# Allegro board C000PD020-3399PRO-DMEB-A-A01.brd (continued)
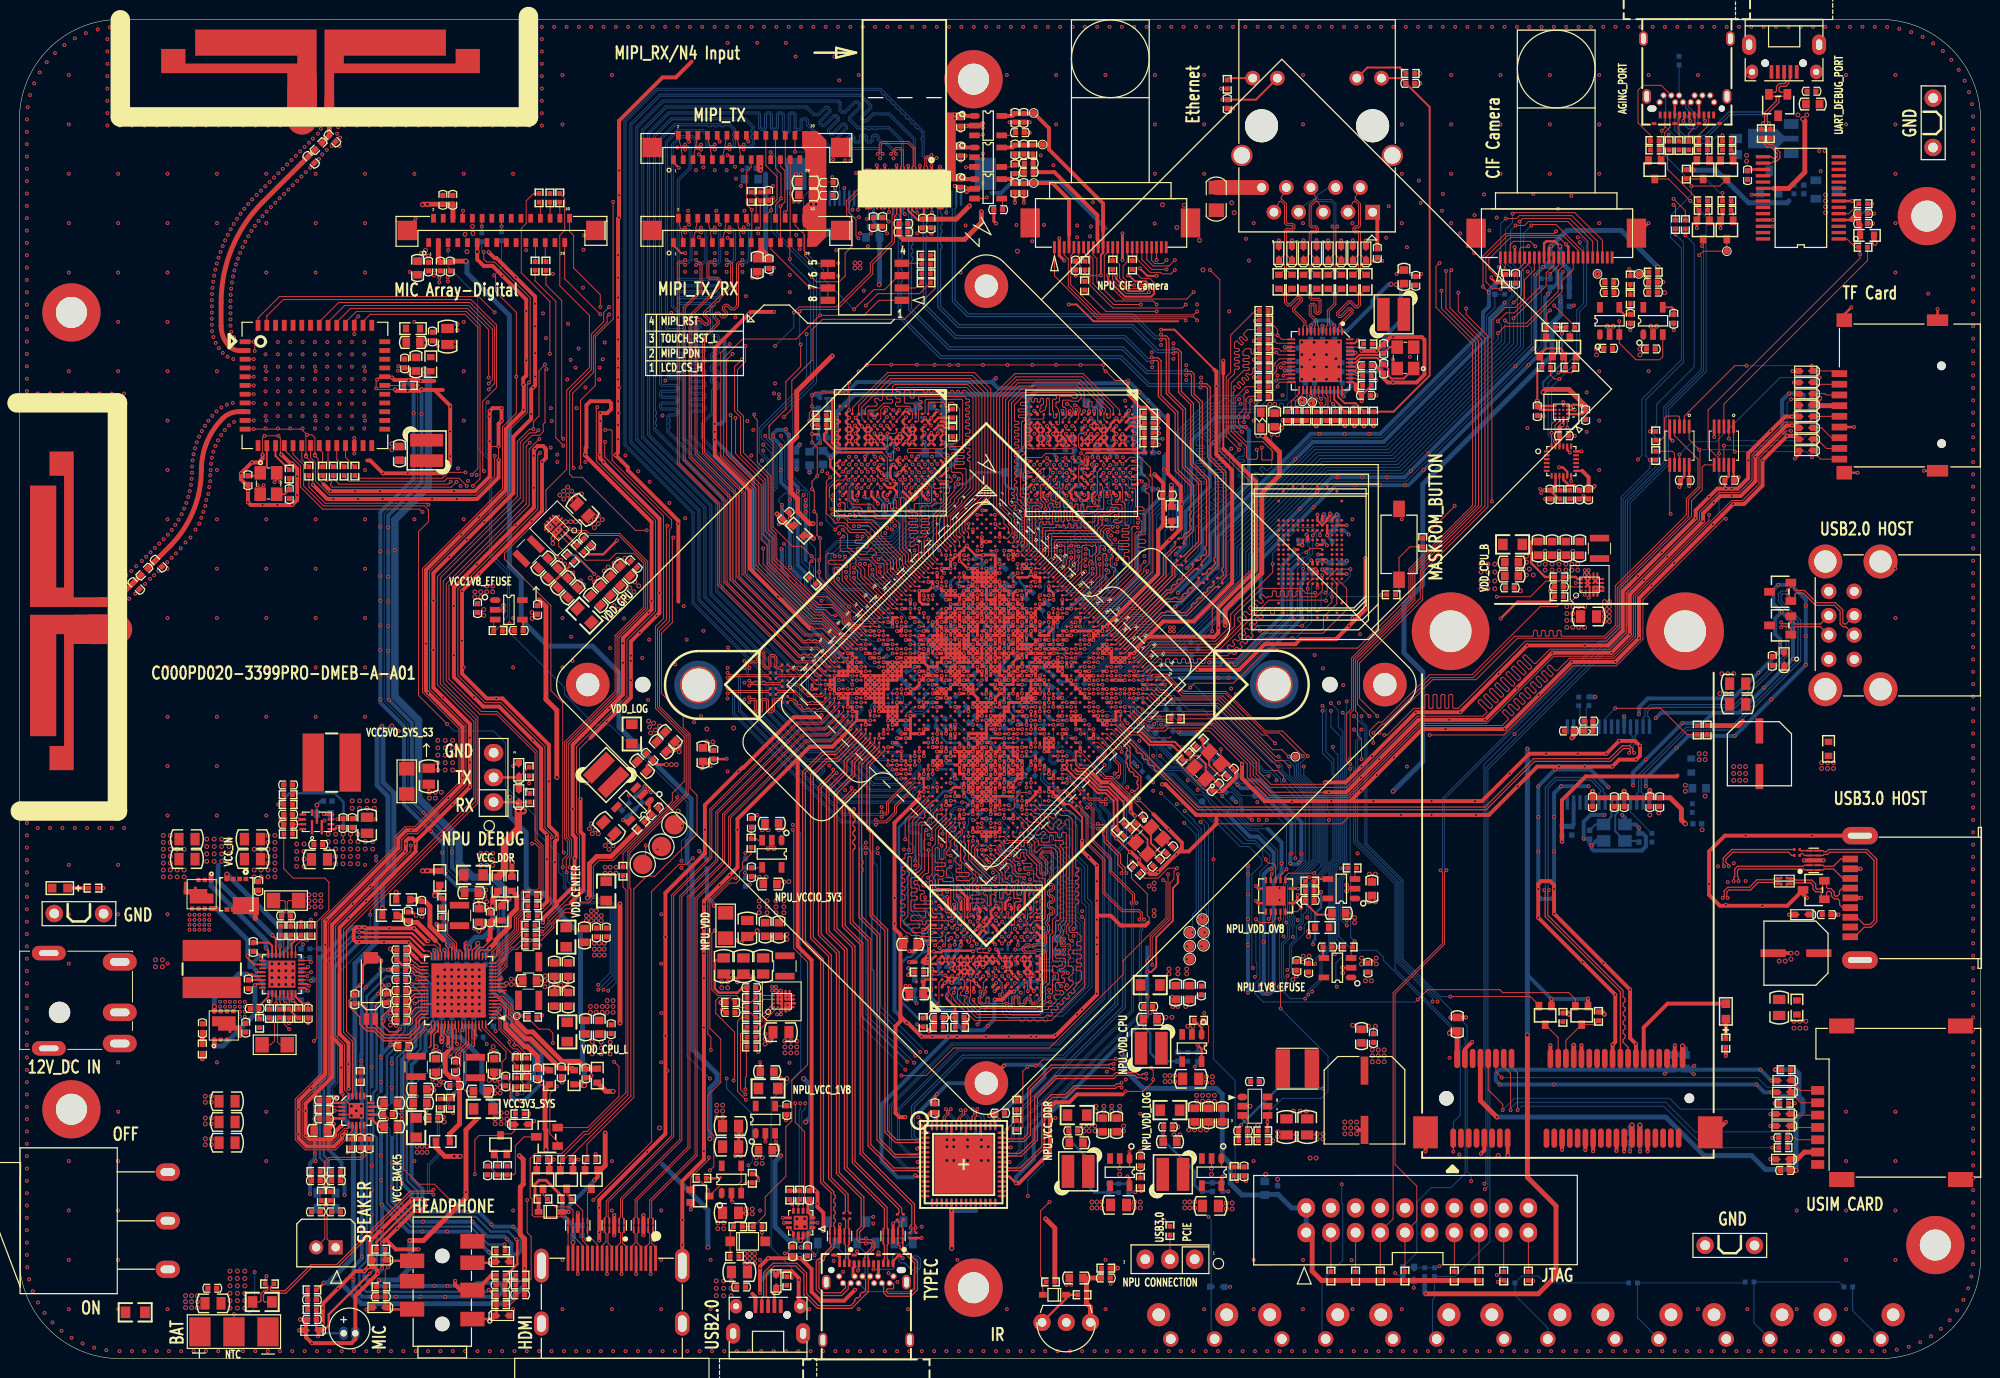
[diagram p0: board, top side]
## Routing (per net, layer and track width the routed paths; a pad name or vN(x,y) marks a point on that pad's centre or on a via; arc(x,y) is an arc through that point) (continued)
VBUS_ON: length 2.1
  TOP w0.102: R9724.2 R9716.1 173.7,123.48 Q9702.1
VBUS_TYPEC0: length 4.7
  TOP w0.102: U2600.2 v1(82.12,13.98)
  TOP w0.305: J2600.B9 85.77,8.63 85.77,9.31 85.89,9.43 J2600.A4 ; J2600.A9 88.39,8.51 J2600.B4
  TOP w0.406: 75.41,6.67 75.74,6.34 J2601.1
  vias: v2(71.86,13.98) v2(71.86,13.37) v2(72.47,13.98) v2(72.47,13.37) v2(74.63,10.81) v2(74.63,10.3) v2(74.63,9.79) v2(75.14,10.81) v2(75.14,10.3) v2(75.14,9.79) v2(75.65,10.81) v2(75.65,10.3) v2(75.65,9.79)
VBUS_TYPEC_TEST: length 2.7
  TOP w0.254: J9702.A9 170.33,129.23 J9702.B4 ; J9702.B9 172.83,129.23 J9702.A4
  vias: v2(177.72,123.81) v2(177.72,123.2)
VCC1V5_DVP_S0: length 222.3
  TOP w0.203: C4602.1 90.66,116.95 J4600.22
  TOP w0.508: v1(98.98,118.02) 98.98,116.9 97.26,115.17 90.96,115.17 90.51,115.62 C4601.1 C4602.1 ; R2106.2 v2(38.77,47.98)
  S1 w0.508: 122.78,46.42 131.12,46.42 131.7,47 133.93,47 136.47,49.54 137.59,49.54 141.35,53.3 v2(141.35,58.38) ; v1(98.98,118.02) 99.24,118.27 115.49,118.27 116.97,119.75 119.71,119.75 125.91,113.55 148.26,113.55 151.21,110.6 157.4,110.6 158.58,109.43 v1(158.58,108.77) ; 88.82,37.04 81.92,37.04 70.74,48.22 55.19,48.22 53.06,50.35 51.54,50.35 50.52,49.34 40.13,49.34 v2(38.77,47.98)
  BOTTOM w0.508: R4704.1 v1(158.58,108.77) C4709.1 158.58,107.4 157.71,106.53 157.71,103.29 144.4,89.98 144.4,79.61 142.47,77.68 142.47,72.6 144.4,70.67 144.4,61.43 v2(141.35,58.38)
VCC1V5_DVP_S0_P: length 8.2
  TOP w0.152: U?.29 44.14,42.23 43.87,42.5 43.87,42.86 43.64,43.09
  TOP w0.508: 43.64,43.09 42.24,44.49 42.24,46.54 41.73,47.04 C2112.1 41.19,47.23 R2106.1
VCC1V5_NPU_CIF: length 4.3
  TOP w0.406: TP4814.1 105.22,124.87 R4804.1 C4847.1 C4809.1 102.19,124.62 U4817.5
VCC1V8_DDR: length 86.9
  TOP w0.102: 104.1,95.63 104.11,95.63 U3600.U4 ; 104.1,93.96 U3600.U6 ; 104.1,94.83 104.11,94.83 U3600.U5 ; 104.1,90.75 U3600.U10 ; 104.1,96.36 U3600.U3
  TOP w0.254: v1(114.77,95.19) 114.51,95.45 U3600.A4 ; U3601.A6 95.05,94.25 v1(95.08,94.25) 94.81,94.52 U3601.A5 94.81,94.89 v1(95.14,95.21) 94.91,95.43 94.91,95.51 U3601.A4 ; U3600.A5 114.51,94.56 v1(114.77,94.3) 114.63,94.16 114.51,94.04 U3600.A6 ; U3601.U4 84.41,95.56 v1(84.09,95.24) 84.09,95.14 U3601.U5 84.41,94.74 v1(84.09,94.41) 84.41,94.09 U3601.U6 ; U3601.A10 94.89,90.81 95.48,91.4 v1(95.48,91.5) ; U3600.A3 v1(114.98,96.36) ; 104.1,93.96 104.02,93.96 v1(103.76,94.21) 104.1,94.56 104.1,94.83 v1(103.78,95.16) 104.1,95.48 104.1,95.63 v1(103.78,95.96) 104.1,96.28 104.1,96.36 ; v1(114.87,90.78) 114.85,90.77 114.84,90.76 114.75,90.75 U3600.A10 ; U3601.A3 95.13,96.41 95.33,96.22 v1(95.35,96.22) ; 104.1,90.75 103.73,90.75 v1(103.65,90.68) ; U3601.U10 83.44,91.78 83.44,92.66 v1(83.49,92.72) ; v1(84.09,96.81) 84.09,96.74 U3601.U3 84.09,96.09 v1(84.09,96.01)
  S1 w0.508: v1(80.29,94.04) 81.62,92.72 v1(83.49,92.72)
  BOTTOM w0.102: C3625.1 84.31,93.58
  BOTTOM w0.254: C3609.1 115.63,90.89 115.44,91.08 ; v1(103.76,94.21) 103.76,94.21 C3612.1 ; C3624.1 95.82,91.83 v1(95.48,91.5) ; C3610.1 114.49,94.92 v1(114.77,95.19)
  BOTTOM w0.381: C3611.1 114.25,96.23 114.73,96.23 114.77,96.27 ; C3624.1 96.02,91.97 96.4,92.35 96.4,93.52 95.99,93.93 95.4,93.93 v1(95.08,94.25) 95.14,94.31 ; C3621.1 102.74,91.24 ; 102.74,91.24 102.74,91.03 102.95,90.82 103.18,90.82 103.33,90.68 v1(103.65,90.68) ; 102.74,91.24 102.74,93.2 v1(103.76,94.21) 103.78,94.23 v1(103.78,95.16) ; v1(114.77,95.19) v1(114.77,94.3) 114.68,94.21 114.68,93.33 115.44,92.56 115.44,91.08 115.4,91.04 115.12,91.04 v1(114.87,90.78)
  BOTTOM w0.508: C3608.1 82.79,93.42 v1(83.49,92.72) 84.31,93.54 84.31,93.58 84.09,93.8 v1(84.09,94.41) v1(84.09,95.24) v1(84.09,96.01) v1(84.09,96.81) 84.09,97.37 85.93,99.22 95.07,99.22 ; v1(80.29,94.04) 79.98,93.74 R3650.2 ; 95.07,99.22 95.02,99.16 95.02,96.68 ; 95.07,99.22 103.27,99.22 103.78,98.71 ; 114.97,96.36 v1(114.98,96.36) ; 114.97,96.36 114.85,96.36 114.77,96.27 v1(114.77,95.19) ; 114.97,96.36 114.78,96.54 114.78,99.04 114.1,99.72 104.8,99.72 103.78,98.71 ; 103.78,98.71 v1(103.78,95.96) v1(103.78,95.16)
VCC1V8_DVP: length 88.3
  TOP w0.203: J4600.24 91.46,118.13 92.38,117.21 92.9,117.21 C4604.1
  TOP w0.305: v2(167.16,111.82) 167.16,111.42 167.65,110.92 C4703.1
  TOP w0.508: C4604.1 C4603.1 96.39,117.25 v1(97.76,118.63)
  S1 w0.508: v2(167.16,111.82) 167.16,113.45 159.99,120.61 144.35,120.61 139.62,115.89 125.45,115.89 120.12,121.22 116.05,121.22 114.99,120.15 99.29,120.15 v1(97.76,118.63)
VCC1V8_EFUSE: length 69.7
  TOP w0.305: U1000.T24 v1(103.63,69.81)
  TOP w0.508: 53.47,78.09 54.18,77.38 54.18,67.83 55.3,66.71 v2(55.3,59.8)
  S1 w0.406: 92.79,63.46 95.12,65.8 97.53,65.8 v1(98.11,65.22) ; 89.54,59.29 89.84,58.99 89.84,54.66 88.78,53.6 86.69,53.6 86.18,53.1 72.16,53.1 71.65,53.6 68.5,53.6 62.31,59.8
  S1 w0.508: 62.31,59.8 v2(55.3,59.8)
  BOTTOM w0.254: 104,69.75 103.69,69.75 v1(103.63,69.81)
  BOTTOM w0.406: v1(98.11,65.22) 97.85,65.48 R1103.1
VCC1V8_NPU_CIF: length 25.4
  TOP w0.203: v1(111.28,111.46) 111.28,113.55 111.5,113.77 J4800.11 ; R4802.1 v1(109.65,111.46)
  TOP w0.305: 111.5,116.04 J4800.11
  TOP w0.406: U4800.5 102.19,127.87 C4804.1 C4803.1 104.31,128.12 TP4817.1 105.94,126.61 105.94,124.42 111.5,118.86 111.5,116.04
  BOTTOM w0.203: v1(109.65,111.46) v1(111.28,111.46)
VCC2V8_DVP: length 98.6
  TOP w0.254: J4700.4 153.89,114.32 v1(153.85,114.36)
  TOP w0.305: v1(88.78,120.56) 88.78,120.52 88.66,120.4 J4600.17
  S1 w0.508: v1(153.85,114.36) 154.86,113.35 159.23,113.35 160.96,111.62 v1(162.38,111.62) 162.38,115.68 158.98,119.09 146.08,119.09 141.25,114.26 126.21,114.26 120.07,120.41 116.46,120.41 115.6,119.54 100.71,119.54 100.05,118.88 98.98,118.88 98.12,118.02 97.41,118.02 95.89,119.54 89.29,119.54 88.78,120.05 v1(88.78,120.56)
VCC2V8_NPU_CIF: length 12.8
  TOP w0.305: 108,115.59 J4800.4
  TOP w0.406: 108,115.59 108,119.26 106.3,120.97 TP4818.1 104.31,120.91 C4807.1 C4808.1 101.97,121.37 U4801.5
VCC3V3_FT232: length 1.6
  TOP w0.254: C9704.1 177.96,122.37 U9700.17
VCC3V3_HUB_S3: length 20.6
  TOP w0.406: 170.61,60.01 170.51,59.9 161.16,59.9 158.72,57.47 v1(158.72,53.2)
  TOP w0.508: FB2800.2 C2805.1
  BOTTOM w0.406: U2800.24 v1(165.13,66.1)
  BOTTOM w0.508: R2801.2 v1(162.14,68.09) ; R2802.1 v1(158.72,53.2)
  vias: v2(171.42,58.99) v2(171.42,58.38)
VCC3V3_PCIE_S0: length 27.3
  TOP w0.254: v1(125.7,24.04) 125.46,23.79 C8310.1 R8305.1
  TOP w0.406: R8303.1 v1(175.59,31.15)
  TOP w0.508: v1(159.44,35.42) 159.29,35.56 R8304.1 ; J8300.24 v1(159.93,32.26) ; J8300.41 v2(166.73,24.02) ; R8302.1 162.85,35.66 v1(163.09,35.42) ; J8300.52 v2(171.13,32.17) ; v2(147.14,33.49) 147.36,33.7 C8304.1 147.93,33.68 J8300.2 ; J8300.39 v2(165.93,24.04)
  BOTTOM w0.254: v1(125.7,24.04) 129.46,27.8 v1(134.14,27.8)
  BOTTOM w0.508: v2(166.73,24.02) 166.75,24.01 C8305.1 ; C8306.1 165.74,23.84 v2(165.93,24.04) ; v2(171.13,32.17) 171.42,31.88 C8302.1 C8303.1
  vias: v2(139.22,31.76) v2(139.22,31.15) v2(139.22,30.54) v2(139.83,31.76) v2(139.83,31.15) v2(139.83,30.54) v2(140.44,31.76) v2(140.44,31.15) v2(140.44,30.54)
VCC3V3_SD_S0: length 203.5
  TOP w0.508: v2(185.24,98.82) 184.55,98.13 D9100.1 184.52,98.06 J9100.4 ; R2113.2 60.36,27.49 v2(61.09,27.49)
  POWER2 w0.762: v2(61.09,27.49) 72.01,27.49 75.21,24.29 76.99,24.29 78.46,22.82 90.35,22.82 90.86,22.31 93.35,22.31 94.41,23.38 99.24,23.38 99.8,22.82 101.93,22.82 107.52,28.41 112.4,28.41 114.83,30.85 130.68,30.85 131.8,29.73 165.02,29.73 167.16,31.86 167.16,36.43 169.19,38.47 173.86,38.47 176.71,41.31 179.35,41.31 180.57,42.53 180.57,57.16 181.89,58.48 181.89,70.17 179.45,72.6 179.45,86.22 186.66,93.43 186.66,97.39 v2(185.24,98.82)
  BOTTOM w0.508: v2(185.24,98.82) 184.71,98.82 C9100.1 184.42,99.1 C9101.1
VCC3V3_SD_S0_P: length 14
  TOP w0.152: 51.18,34.63 50.34,35.47 50.34,36 49.51,36.83 48.69,36.83 U?.6
  TOP w0.508: 51.18,34.63 52.2,33.61 52.81,33.61 55.84,30.59 57.5,30.59 C2120.1 59.42,29.8 R2113.1
VCC3V3_SYS_P: length 8.1
  TOP w0.102: U?.64 46.59,34.38 46.59,33.89 46.56,33.87 46.56,32.35 45.69,31.48 45.69,27.75 45.92,27.52 C2107.1
VCC3V3_SYS_S3: length 264.8
  TOP w0.152: U?.57 44.14,34.38 44.14,33.99 44.09,33.93 44.09,33.67 v1(44.14,33.61)
  TOP w0.203: U4100.T10 131.97,83.74 v1(132,83.7) 132.07,83.77 U4100.U9 ; v1(134.44,82.08) 134.28,82.24 U4100.N5
  TOP w0.254: U2102.43 100.41,24.24 100.3,24.34 100.3,25.1 C9939.1 ; U2102.19 v1(95.91,15.23) ; U9702.10 C9708.1 ; U1000.Y24 v1(101.33,67.51) ; U4100.M6 v1(133.57,82.13) ; U9704.10 C9710.1 ; C9940.1 94.41,25.12 U2102.55
  TOP w0.305: U2600.3 81.6,14.6 81.14,15.06 U2600.4 81.14,16.21 C2608.1 81.51,16.17 v1(81.51,15.91) ; U1000.AB18 v1(97.19,69.81) ; U1000.AA22 v1(99.95,67.97)
  TOP w0.406: U4800.1 97.01,127.87 C4806.1 ; C9939.1 100.1,25.26 v1(99.8,24.95) ; v1(176.91,90.69) 176.61,90.38 C9708.1 ; v1(93.4,24.85) 93.4,24.91 93.8,25.32 C9940.1 ; C4821.1 96.89,121.37 U4801.1 ; C4845.1 96.89,124.62 U4817.1 ; R9827.1 102.64,26.78 102.74,26.88 v1(102.74,26.99) ; C9710.1 v1(171.82,89.79)
  TOP w0.508: v2(95.94,11.34) 95.94,15.2 v1(95.91,15.23) ; R9006.1 v1(113,9.31)
  S1 w0.406: v2(67.79,56.35) 68.2,56.35 69.52,55.03 71.04,55.03 72.47,53.6 85.97,53.6 86.48,54.11 88.57,54.11 89.33,54.87 89.33,58.38 88.82,58.89 88.82,61.33 90.45,62.95 91.06,62.95 91.97,63.87 91.97,64.78
  S1 w0.508: v2(70.84,11.44) v1(80.39,11.44) 84.46,11.44 86.08,9.82 89.33,9.82 90.86,11.34 v2(95.94,11.34) 100.3,11.34 102.34,9.31 v1(113,9.31) 113.51,9.31 114.22,8.6 119.3,8.6 J9711.1 ; v2(45.03,105.83) v2(45.03,106.44) 45.03,118.73 51.08,124.78 57.73,124.78 62.36,129.4 95.17,129.4 96.24,128.33 v1(96.24,128.03) v1(96.24,127.62) ; v2(65.86,23.73) 67.18,23.73 71.35,27.9 73.79,27.9 74.3,28.41 75.21,28.41 76.23,27.39 85.47,27.39 87.2,25.66 92.68,25.66 93.4,24.95 v1(93.4,24.85) 94.11,24.85 94.41,24.55 99.39,24.55 v1(99.8,24.95) 100,25.16 100.81,25.16 102.64,26.99 v1(102.74,26.99)
  BOTTOM w0.254: U9705.19 98.41,15.23 ; C1433.1 99.75,67.77 v1(99.95,67.97) ; C1407.1 101.11,67.74 v1(101.33,67.51) ; v1(97.19,69.81) 97.18,69.8 C1404.1 ; U9705.43 93.91,24.35 94.21,24.65 C9940.1 ; U9705.55 99.91,24.45 100.46,25.01 C9939.1
  BOTTOM w0.406: C9939.1 100.1,25.26 v1(99.8,24.95) ; C9940.1 93.8,25.32 93.4,24.91 v1(93.4,24.85)
  BOTTOM w0.508: 98.41,15.23 v1(95.91,15.23) ; v1(80.39,11.44) 80.59,11.44 81.1,11.95 81.1,12.86 81.51,13.27 v1(81.51,15.91) ; v2(70.84,11.44) 70.84,15.3 66.17,19.98 ; v1(132,83.7) 131.66,84.05 C4105.1 ; v1(133.57,82.13) 134.39,82.13 v1(134.44,82.08) 134.65,81.87 C4104.1 ; C2123.1 44.51,33.98 v1(44.14,33.61) 44.67,33.08 45.34,33.08 47.57,30.85 47.57,27.49 48.95,26.12 v2(48.95,24.67)
  vias: v2(46.86,78.9) v2(46.86,78.4) v2(47.47,78.9) v2(47.47,78.4) v2(48.08,79.51) v2(48.08,78.9) v2(48.69,79.51) v2(48.69,78.9) v2(48.95,24.17) v2(49.56,25.28) v2(49.56,24.67) v2(49.56,24.17) v2(50.17,25.28) v2(50.17,24.67) v2(50.17,24.17) v2(138.51,38.87) v2(139.12,38.87) v2(162.28,103.9) v2(162.28,103.29) v2(166.75,103.9) v2(166.75,103.29) v2(172.85,62.24) v2(172.85,61.63) v2(173.46,62.24) v2(173.46,61.63)
VCC5V0_FT232: length 10.6
  TOP w0.254: U9700.20 180.53,120.42
  TOP w0.508: v2(183.52,127.57) 183.72,127.37 183.72,122.08 182.05,120.42 180.53,120.42
  vias: v2(183.01,127.98) v2(183.92,127.98)
VCC5V0_HDM_PORT: length 13.5
  TOP w0.254: J8200.18 v2(56.96,11.95)
  TOP w0.305: R8204.1 53.05,16.79 53.05,17.93 53.47,18.35 54.18,18.35 55.86,16.67 R8202.1 v1(55.86,15.96)
  TOP w0.406: D8200.2 R8204.1
  BOTTOM w0.508: v1(55.86,15.96) 55.86,14.79 C8201.1 C8200.1 56.96,12.64 v2(56.96,11.95)
VCC5V0_HUB_HOST: length 3.9
  TOP w0.508: 177.32,65.59 176.85,65.13 R2807.1
VCC5V0_SYS_S3: length 88.5
  TOP w0.152: 45.86,42.07 45.78,42.16 45.78,42.74 46,42.96 ; 45.86,42.07 45.89,42.05 U?.24 ; 45.86,42.07 45.86,42.49 46.03,42.66 ; U?.66 47.29,34.38 47.29,33.95 47.52,33.72 ; 42.44,31.68 42.65,31.89 42.65,33.35 43.09,33.79 ; 49.19,38.23 50.01,38.23 50.06,38.29 ; 49.19,38.23 48.69,38.23 U?.10 ; 49.19,38.23 49.35,38.39 49.16,38.58 ; 49.16,38.58 48.69,38.58 U?.11 ; 49.16,38.58 49.85,38.58 49.96,38.69 ; 43.09,33.79 43.09,33.58 ; 43.09,33.79 U?.54 ; U?.33 42.74,41.38 42.74,41.76 42.69,41.8 42.69,42.02 v1(42.7,42.02) ; v1(49.4,36) 49.27,36.13 48.69,36.13 U?.4
  TOP w0.254: 72.16,18.65 72.06,18.55 R2630.1 ; U2206.E1 79.65,36.16 ; U2206.E1 U2206.D1 ; U2206.E1 79.24,35.89 79.17,35.82 ; U2206.E1 U2206.E2 ; U2200.E2 U2200.D2 U2200.D1 ; U2200.E2 U2200.E1 ; U2200.E2 162.89,79.41 162.99,79.31 ; U2201.E1 55.19,86.42 54.89,86.73 ; U2201.E1 55.48,86.14 U2201.D1 ; U2201.E1 55.5,86.73 ; U2201.E1 U2201.E2 ; U2201.D1 55.8,86.46 ; U2201.D1 U2201.D2 U2201.E2 ; U2206.D1 78.84,35.75 78.87,35.72 ; U2206.D1 U2206.D2 U2206.E2 ; U2200.E1 162.98,79.01 ; U2200.E1 U2200.D1 ; U2200.E1 162.37,78.51 ; 79.78,36.54 79.75,36.56 U2206.E2 ; U2201.E2 54.58,86.47 ; U2200.D1 161.97,78.5
  TOP w0.305: U2600.13 80.64,12.4 v2(80.39,12.15) 80.14,12.4 U2600.12
  TOP w0.381: R2020.1 v1(8.65,48.41)
  TOP w0.406: v1(59.16,18.35) 59.5,18.69 Q8202.1 ; D8200.1 v1(56.52,15.1)
  TOP w0.508: v1(60.27,23.23) 60.27,19.87 59.77,19.37 Q8202.1
  S1 w0.381: v1(39.04,64.58) 38.63,64.17 22.07,64.17 13.03,55.13 13.03,50.05 11.39,48.41 v1(8.65,48.41)
  BOTTOM w0.406: v1(59.16,18.35) 59.16,18.31 56.52,15.67 v1(56.52,15.1)
  BOTTOM w0.508: v2(80.39,12.15) 79.17,12.15 77.75,13.57 77.75,20.28 v1(78.36,20.89) ; C2134.1 42.88,41.84 v1(42.7,42.02) ; C2118.1 48.76,35.26 49.4,35.9 v1(49.4,36)
  vias: v2(41.38,113.75) v2(41.78,114.06) v2(42.09,113.45) v2(42.65,31.58) v2(42.88,32.09) v2(43.05,63.61) v2(43.05,62.85) v2(43.05,62.09) v2(43.05,61.33) v2(43.05,60.56) v2(43.15,31.58) v2(43.82,63.61) v2(43.82,62.85) v2(43.82,62.09) v2(43.82,61.33) v2(43.82,60.56) v2(44.58,63.61) v2(44.58,62.85) v2(44.58,62.09) v2(44.58,61.33) v2(44.58,60.56) v2(46.84,44.28) v2(47.27,43.98) v2(47.68,44.28) v2(48.54,31.58) v2(48.74,32.09) v2(49.05,31.58) v2(50.11,38.59) v2(50.61,39.05) v2(50.62,38.49) v2(51.16,39.05) v2(51.16,38.49) v2(55.6,88.86) v2(56.01,89.27) v2(56.01,88.45) v2(56.41,89.67) v2(56.41,88.86) v2(56.72,88.45) v2(56.82,89.27) v2(57.23,88.86) v2(57.84,88.96) v2(58.65,54.52) v2(58.85,55.03) v2(58.95,54.01) v2(59.26,54.42) v2(59.56,54.01) v2(71.76,26.07) v2(71.76,25.46) v2(71.76,24.85) v2(72.36,26.07) v2(72.36,25.46) v2(72.36,24.85) v2(78.16,54.42) v2(78.66,54.42) v2(78.77,32.68) v2(78.77,32.07) v2(78.77,31.46) v2(79.38,32.68) v2(79.38,32.07) v2(79.38,31.46) v2(79.98,32.68) v2(79.98,32.07) v2(79.98,31.46) v2(81.46,118.78) v2(81.97,118.78) v2(85.98,112.74) v2(85.98,112.23) v2(86.49,112.74) v2(86.49,112.23) v2(110.36,16.11) v2(110.36,15.5) v2(110.87,16.11) v2(110.87,15.5) v2(111.38,16.11) v2(111.38,15.5) v2(117.88,29.12) v2(117.88,28.51) v2(118.39,29.12) v2(118.39,28.51) v2(118.9,29.12) v2(118.9,28.51) v2(119.91,16.11) v2(119.91,15.5) v2(120.42,16.11) v2(120.42,15.5) v2(120.93,16.11) v2(120.93,15.5) v2(163.09,77.89) v2(163.09,77.38) v2(163.09,76.87) v2(163.09,76.36) v2(163.09,75.86) v2(163.6,77.89) v2(163.6,77.38) v2(163.6,76.87) v2(163.6,76.36) v2(163.6,75.86)
VCC5V0_TYPEC0_EN: length 151.6
  TOP w0.102: v1(70.94,20.69) 70.94,20.49 69.08,18.62 Q2600.1 ; U1000.L34 v1(110.52,67.51)
  S1 w0.102: v1(137.33,64.73) 137.29,64.78 126.31,64.78 122.96,61.43 116.46,61.43 114.02,63.87 114.02,64.27 112.93,65.36 112.93,66.08 111.49,67.51 v1(110.52,67.51) ; v1(145.42,36.74) 145.21,36.54 143.6,36.54 140.45,33.39 136.8,33.39 130.34,26.93 129.07,26.93 129.02,26.88 126.31,26.88 119.61,20.18 103.67,20.18 101.64,18.15 88.4,18.15 86.98,19.57 78.26,19.57 76.63,21.19 75.51,21.19 74.5,20.18 71.96,20.18 71.55,20.58 71.04,20.58 v1(70.94,20.69)
  BOTTOM w0.102: v1(137.33,64.73) 137.74,64.33 137.74,63.82 137.49,63.57 137.49,53.22 141.76,48.95 141.76,40.8 145.42,37.15 v1(145.42,36.74)
VCC5V0_USB2.0_S0: length 3.4
  TOP w0.152: 43.41,33.97 43.44,34 U?.55
  TOP w0.203: 43.41,33.97 43.41,33.05 v1(43.46,33.01)
  TOP w0.508: v1(43.46,32.6) v1(43.46,33.01)
  BOTTOM w0.508: C2122.1 43.49,33.04 v1(43.46,33.01) v1(43.46,32.6)
  vias: v2(182.6,34.71) v2(182.6,34) v2(183.21,34.71) v2(183.21,34) v2(183.82,34.71) v2(183.82,34) v2(185.45,61.33) v2(185.45,60.72) v2(186.06,61.33) v2(186.06,60.72) v2(186.66,61.33) v2(186.66,60.72)
VCC12V_DCIN:
  vias: v2(185.85,119.75) v2(185.85,119.14) v2(185.85,118.53) v2(185.85,117.92)
VCC_0V9_S0: length 5.8
  TOP w0.305: U1000.H20 v1(105.01,75.79) ; U1000.AA17 v1(97.19,70.73) U1000.AA16 v1(96.73,71.19)
  TOP w0.508: R2105.2 50.67,51.01 v2(50.72,51.06)
  POWER2 w0.406: v1(96.73,71.19) v1(97.19,70.73)
  BOTTOM w0.254: v1(96.73,71.19) 96.73,70.9 C1704.1 97.11,70.82 v1(97.19,70.73) 97.56,71.09 C1722.1
  BOTTOM w0.305: C1713.1 105.18,75.62 v1(105.01,75.79)
VCC_0V9_S0_P: length 10
  TOP w0.152: U?.20 47.29,41.84 47.5,42.05 48.23,42.05 48.39,42.2 v2(48.39,42.23)
  TOP w0.508: R2105.1 51.18,47.62 51.18,46.29 50.42,45.53 50.42,44.46 49.01,43.05 49.01,42.82 48.41,42.23 v2(48.39,42.23)
  BOTTOM w0.508: C2104.1 47.98,41.82 v2(48.39,42.23)
VCC_0V9_S3: length 86
  TOP w0.254: v1(100.87,68.89) U1000.Y22 v1(100.41,69.35)
  TOP w0.305: v1(98.57,71.19) 98.57,70.73 v1(99.03,70.73) U1000.Y19 ; U1000.R17 v1(100.41,73.95) ; U1000.R24 v1(104.09,70.27) ; U1000.L24 v1(105.93,72.11) ; U1000.Y21 v1(100.41,69.35)
  TOP w0.508: R1203.1 118.53,87.71 C1224.1 v2(118.53,89.88) ; R1202.1 79.17,85.71 78.55,86.33 C1222.1 78.47,86.41 v1(77.95,86.93) ; v1(83.64,103.19) 79.98,99.53 79.98,94.85 79.38,94.24 79.38,89.16 80.09,88.45 80.09,87.13 81.31,85.91 v1(81.66,85.91)
  TOP w0.762: R2100.2 49.91,50.24 49.91,53.1 51.33,54.52 v2(51.33,56.35) v2(51.84,56.35)
  S1 w0.305: 98.58,71.08 98.57,71.08 v1(98.57,71.19)
  S1 w0.406: v1(100.87,68.89) v1(100.41,69.35) 100.41,69.35 100,69.76
  S1 w0.508: v1(83.64,103.19) 113.67,103.19 118.53,98.32 v2(118.53,89.88)
  BOTTOM w0.254: v1(103.17,68.44) 103.09,68.51 R1420.2 ; C1109.1 100.18,73.95 v1(100.41,73.95) ; C1402.1 100.41,69.15 v1(100.41,69.35) ; R1422.2 101.53,68.89 v1(100.87,68.89) 100.87,68.7 C1405.1 ; C1108.1 104.23,70.41 v1(104.09,70.27) ; C1300.1 v1(105.93,72.11)
VCC_0V9_S3_P: length 9.4
  TOP w0.152: U?.23 46.24,41.38 46.24,42.18 46.3,42.25 v2(46.3,42.3)
  TOP w0.508: v2(48.69,46.59) 48.69,47.31 49.25,47.86 R2100.1
  BOTTOM w0.508: C2100.1 46.03,41.98 46.3,42.25 v2(46.3,42.3) 46.3,42.76 46.91,43.37 47.73,43.37 48.69,44.33 v2(48.69,46.59)
VCC_1P8A: length 2.2
  TOP w0.152: C2138.1 39.98,36.87 40.65,37.53 U?.44
VCC_1P8D: length 2.6
  TOP w0.152: U?.48 41.69,36.13 40.8,36.13 40.41,35.75 40.41,35.5 C2137.1
VCC_1V5_S0: length 69
  TOP w0.305: U1000.AC8 v1(93.06,73.95)
  TOP w0.508: R2107.2 v2(37.35,46.35)
  GND2 w0.508: v1(70.13,66.1) 76.73,66.1 77.24,66.61 77.24,67.22
  S1 w0.508: v1(70.13,66.1) 70.13,64.98 69.32,64.17 69.32,61.94 67.79,60.41 65.86,60.41 65.05,61.22 57.02,61.22 52.15,66.1 39.34,66.1 v2(38.33,65.09)
  BOTTOM w0.254: R1514.1 93.34,74.09 C1501.1 93.06,73.97 v1(93.06,73.95)
  BOTTOM w0.508: v2(38.33,65.09) 37.41,64.17 37.41,59.29 38.53,58.18 38.53,49.95 37.35,48.77 v2(37.35,46.35)
VCC_1V5_S0_P: length 7
  TOP w0.152: 42.8,43.01 43.28,42.53 43.28,41.95 43.44,41.79 U?.31
  TOP w0.508: 42.8,43.01 40.92,44.89 40.17,44.89 C2113.1 39.64,45.05 39.09,45.6 R2107.1
VCC_1V8_S0: length 80.1
  TOP w0.203: R9427.1 159.09,102.95 Q9404.1 158.78,103.26 158.78,103.74 158.57,103.95 157.1,103.95 156.45,103.3 Q9405.1 156.65,102.95 R9429.1 156.18,101.55 v2(156.18,98.51)
  TOP w0.229: U9000.13 160.81,91.35 ; U9000.22 C9003.1
  TOP w0.254: U9001.A2 158.87,96.21 v2(158.72,96.07) ; U9000.8 158.07,89.92 C9002.1 158.4,88.46 R9005.1 ; U9001.D4 156.27,98.03 C9000.1 156.5,97.63 U9001.C4 ; C7511.1 32.07,26.31 U7500.1
  TOP w0.305: U1000.K23 v1(105.93,73.03) U1000.J24 v1(106.85,73.03) ; v1(104.09,75.79) U1000.J19 104.55,75.33 v1(104.55,75.33) U1000.J20 ; U1000.Y8 v1(93.98,75.79) ; U1000.AD16 v1(95.36,69.81) ; U1000.J22 v1(105.93,73.95) ; U1000.AA8 v1(93.06,74.87)
  TOP w0.406: v1(32.74,26.88) 32.69,26.93 32.12,26.93 C7511.1 ; C9002.1 v1(156.9,89.36) ; v1(162.08,89.77) 161.66,89.36 C9001.1 161.47,90.69 160.81,91.35 ; v2(158.72,96.07) 158.47,95.81 C9003.1
  TOP w0.508: R2104.2 v2(41.99,50.19) v2(41.48,50.19) ; v2(41.48,118.73) 41.54,118.79 v2(41.99,118.79) C7504.1 C7502.2 44.61,118.77 J7500.6 ; v2(156.18,98.51) C9000.1
  POWER1 w0.508: v1(36.7,51.67) v1(36.7,51.27) 36.7,50.35 32.44,46.09 32.44,27.19 v1(32.74,26.88)
  S1 w0.381: v1(93.06,74.87) 93.43,74.87 93.5,74.94
  S1 w0.508: v2(41.99,50.19) v2(41.48,50.19) 38.19,50.19 v1(36.7,51.67)
  BOTTOM w0.254: C1503.1 93.98,75.8 v1(93.98,75.79) 93.98,75.72 C1504.1 93.13,74.87 v1(93.06,74.87) 92.35,74.87 R1903.1 ; v1(95.36,69.81) 95.22,69.67 C1703.1 94.81,69.85 C1723.1 ; R1708.2 93.81,71.58 94.44,70.95 v1(94.44,70.73) ; v1(94.44,70.73) 94.69,70.99 R1709.2 ; v1(94.44,70.73) 94.25,70.73 93.74,71.24 R1710.2 ; C1901.1 105.89,72.99 v1(105.93,73.03) ; v1(104.55,75.33) 104.55,75.33 v1(104.09,75.79) 104.1,75.8 C1714.1 ; 105.5,74.11 105.66,73.95 v1(105.93,73.95) ; v1(106.85,73.03) 106.87,73 C1900.1
  vias: v1(118.39,75.25) v1(118.39,74.84) v1(118.8,75.25) v1(118.8,74.84) v1(156.49,89.47) v1(156.59,89.06)
VCC_1V8_S0_P: length 9.8
  TOP w0.152: U?.28 44.49,41.38 44.49,42.44 v1(44.41,42.52)
  TOP w0.508: R2104.1 43.26,48.35 42.75,47.84 v2(42.75,47.64)
  BOTTOM w0.508: C2109.1 45.03,41.9 v1(44.41,42.52) 43.66,43.27 43.66,47.13 43.15,47.64 v2(42.75,47.64)
VCC_1V8_S3: length 421
  TOP w0.254: v1(134.57,84.72) U4100.W4 U4100.Y4 ; U4100.AA5 134.07,86.68 v1(134.24,86.85) ; v1(61.49,84.19) 60.07,82.76 58.3,82.76 R2202.1 ; U4100.AA3 135.07,86.36 v1(135.56,86.85) ; R7003.1 36.74,7.72 37.01,7.99 v1(37.01,8.09) ; U4100.K6 133.57,81.02 v1(133.4,81.19) 133.32,81.27 v1(132.72,81.27) ; R2201.1 157.46,77.89 154.15,77.89 v1(152.43,76.16) ; U1300.2 v1(131.56,48.36)
  TOP w0.305: 98.11,70.27 v1(97.65,70.27) ; U1000.N24 v1(104.55,70.73) ; U1000.N24 v1(105.01,71.19) ; U1000.N24 v1(104.09,71.19) ; v1(104.55,70.73) U1000.P24 v1(104.09,71.19) ; v1(104.55,70.73) U1000.P25 ; U1000.AA21 v1(99.49,68.43) ; R2602.1 v1(79.78,17.28) R2601.1 ; U1000.AA24 v1(100.87,67.05) ; U1000.K24 v1(106.39,72.57) ; v1(104.09,71.19) U1000.P23 ; U1000.AB8 v1(92.6,74.41) ; R2128.1 v2(52.4,25.18) ; U1000.P18 v1(101.33,73.95)
  TOP w0.406: Q8301.1 v1(157.65,37) ; Q8300.1 v1(161.41,37.04)
  TOP w0.508: R2101.2 49.66,46.8 50.17,47.31 v2(50.32,47.31) ; v2(155.17,33.28) 155.17,18.65 158.12,15.71 158.12,8.49 156.29,6.67 v1(144.7,6.67) ; v2(51.08,31.41) 51.18,31.3 R2121.1 ; v1(47.07,24.65) 45.95,23.53 v1(45.95,17.13) 45.95,16.52 41.58,12.15 v1(40.16,12.15) ; v1(105.59,14.39) 106.55,13.43 R9020.1 ; R2119.1 v2(52.2,29.45) R2120.1 ; v1(61.8,34.5) v1(61.8,46.8)
  POWER2 w0.254: v1(131.56,48.36) 132.96,48.36 133.93,49.34 146.84,49.34 148.56,51.06 148.56,52.28 148.77,52.49
  POWER2 w0.381: v1(75.31,92.92) 71.55,89.16 66.47,89.16 v1(61.49,84.19)
  POWER2 w0.508: v1(47.07,24.65) 47.78,24.65 49.1,25.97 50.72,25.97 51.51,25.18 v2(52.4,25.18) 52.4,29.25 v2(52.2,29.45) 52.2,30.29 v2(51.08,31.41) ; v1(126.82,55.43) 126.82,56.65 126.21,57.26 v1(125.2,57.26)
  S1 w0.381: v1(38.63,83.17) 56.21,83.17 56.74,82.64 59.95,82.64 v1(61.49,84.19) ; v1(75.31,92.92) 78.56,92.92 v1(79.98,91.5)
  S1 w0.406: v1(99.49,68.43) v1(97.65,70.27)
  S1 w0.508: v1(45.95,17.13) 79.64,17.13 v1(79.78,17.28) 81.06,17.28 81.81,16.52 102.84,16.52 104.98,14.39 v1(105.59,14.39) ; v1(155.17,62.75) 137.8,62.75 137.39,62.34 133.32,62.34 132.92,62.75 130.28,62.75 130.07,62.55 128.14,62.55 126.62,61.02 126.62,58.68 v1(125.2,57.26) ; v2(51.08,31.41) 55.85,31.41 58.24,33.79 61.09,33.79 v1(61.8,34.5)
  BOTTOM w0.203: R1508.1 v1(74.7,52.03)
  BOTTOM w0.254: C1406.1 97.6,70.21 v1(97.65,70.27) ; v1(106.39,72.57) 106.44,72.62 C1301.1 ; C1111.1 103.87,71.41 v1(104.09,71.19) 104.14,71.24 C1110.1 ; v1(99.49,68.43) 99.39,68.33 C1403.1 ; C1105.1 104.63,70.82 v1(104.55,70.73) ; C1505.1 100.82,67.01 v1(100.87,67.05) 101.38,67.05 R1512.2 102.34,66.1 102.72,66.1 R1421.2 ; v1(92.6,74.41) 92.41,74.22 C1602.1
  BOTTOM w0.305: v1(105.01,71.19) 105.11,71.09 C1104.1 105.76,70.67 105.99,70.67 C1107.1 ; v1(134.57,84.72) 134.82,84.46 134.82,84.36 R4101.1
  BOTTOM w0.406: v1(71.45,46.59) 71.45,46.8 70.74,47.51 FB1400.2 ; v1(161.41,37.04) 161.37,37 v1(157.65,37) 155.17,39.48 ; C4103.1 135.16,85.15 134.99,85.15 v1(134.57,84.72) ; R1121.2 v1(125.2,57.26) ; R1120.2 v1(126.82,55.43)
  BOTTOM w0.508: v1(37.01,8.09) 38.94,8.09 40.16,9.31 v1(40.16,12.15) ; C4103.1 135.21,85.36 135.66,85.81 135.66,86.75 v1(135.56,86.85) ; v1(132.72,81.27) 133.06,80.92 C4102.1 133.4,81.1 v1(133.4,81.19) ; C4101.1 134.24,86.39 v1(134.24,86.85) ; v1(144.7,6.67) 144.6,6.77 R1500.2 ; v1(155.17,62.75) v2(155.17,33.28) ; R3650.1 v1(79.98,91.5)
  BOTTOM w0.762: v2(41.68,101.76) v2(41.68,101.26) 42.09,100.85 42.09,89.77 38.63,86.32 v1(38.63,83.17) 38.63,68.13 41.07,65.7 41.07,57.67 45.24,53.5 45.24,50.96 46.66,49.54 48.69,49.54 50.01,48.22 50.01,47.61 v2(50.32,47.31)
VCC_1V8_S3_P: length 5.7
  TOP w0.152: 48.23,43.06 48.23,42.81 47.73,42.3 47.37,42.3 46.94,41.87 U?.21
  TOP w0.508: 48.23,43.06 48.44,43.27 C2108.1 48.57,45.08 R2101.1
VCC_BAT: length 3.9
  TOP w0.102: R2026.1 27.92,45.51 C2032.2 27.56,45.88 27.56,47 27.69,47.13 R2022.2
  vias: v2(17.09,6.46) v2(17.09,5.85) v2(17.09,5.24) v2(17.7,6.46) v2(17.7,5.85) v2(17.7,5.24) v2(18.31,6.46) v2(18.31,5.85) v2(18.31,5.24) v2(29.79,47.71) v2(29.79,47.1) v2(29.79,46.49) v2(30.4,47.71) v2(30.4,47.1) v2(30.4,46.49) v2(31.01,47.71) v2(31.01,47.1) v2(31.01,46.49) v2(43.61,24.85) v2(43.71,24.34)